# Altium PCB PCBV2.PcbDoc (part 3 of 3)
Units mil, origin at the board's own origin, x right, y up, seen from the top; angles counter-clockwise.
Board outline 4340.74 x 6112.39 mil, 4 copper layers (Top Layer, GND, PWR, Bottom Layer), stack 30.634 mil thick; 265 components, 139 nets, 704 pads, 345 vias.
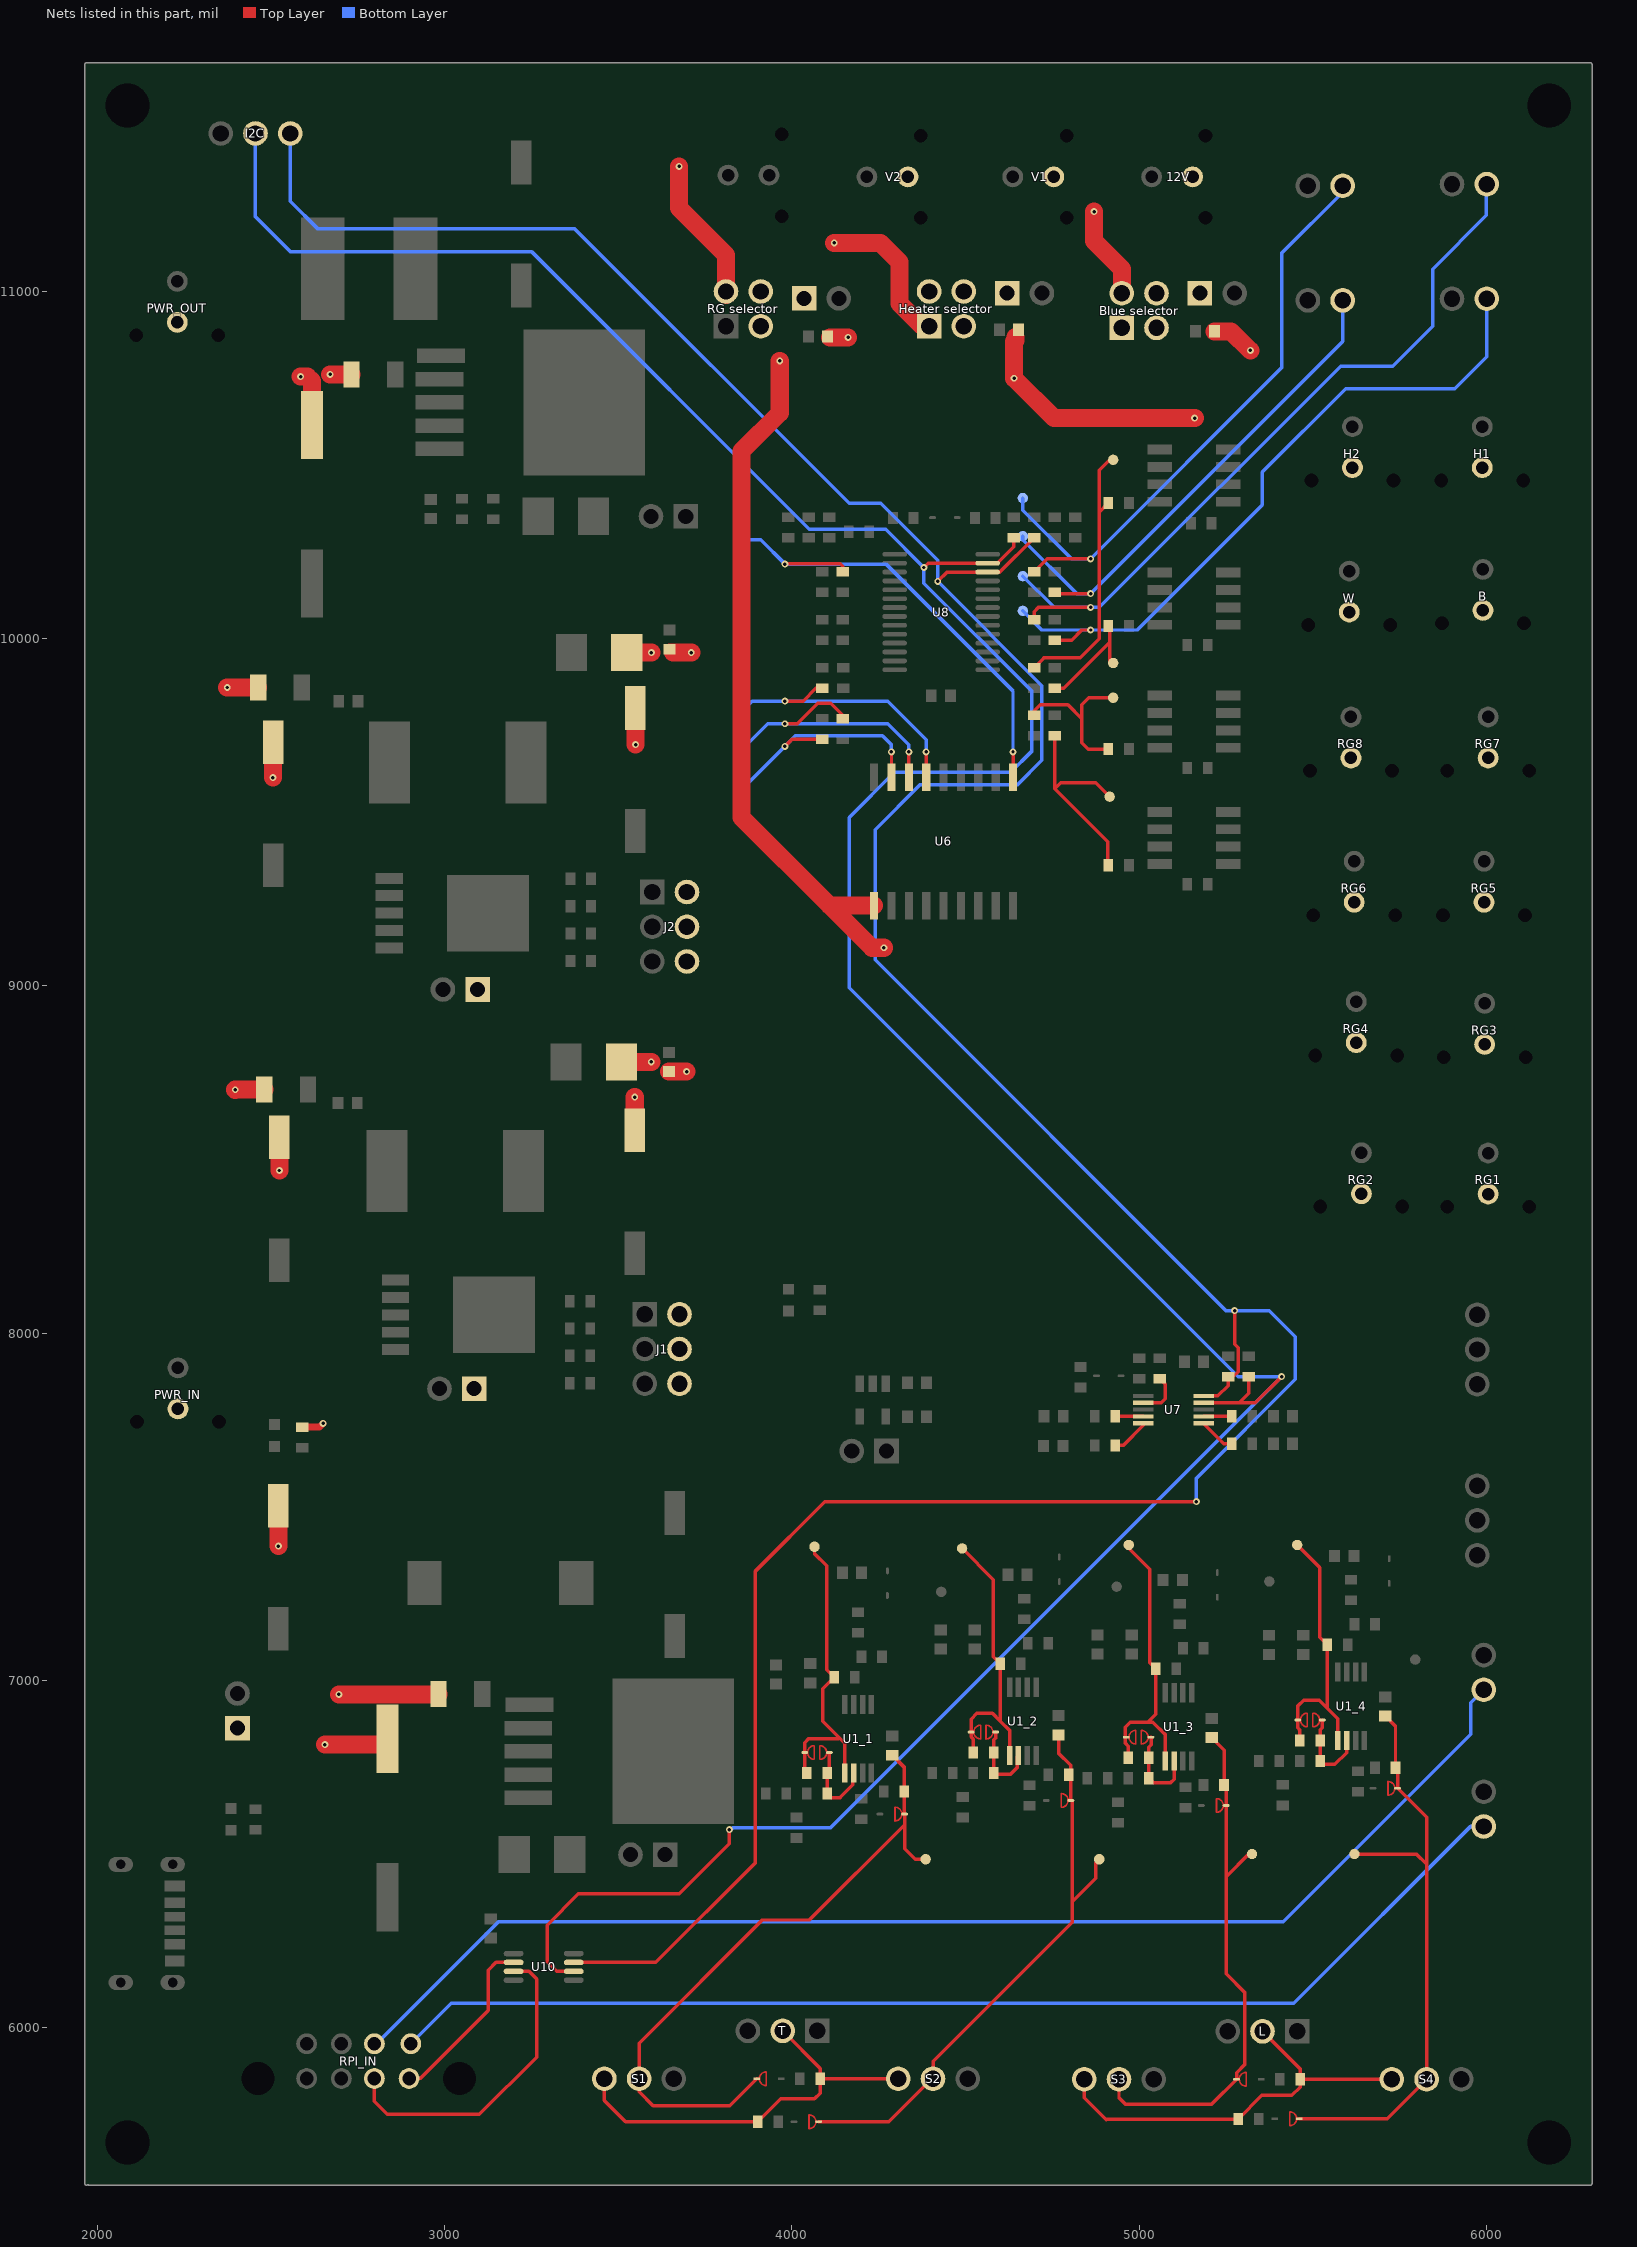
[diagram p5: the nets of this part, all layers, seen from the top]

## Via types
v1: diameter 20, hole 10, Top Layer to Bottom Layer, 345 vias

## Nets (pads, with @x,y where several pads share a name; then routed paths per layer and width w, separated by ;. In a path a pad name is that pad's centre, name@x,y a point inside that pad or via, vN(x,y) a via of type N, cw(c..) or ccw(c..) an arc to the next point about the centre after c; other vN are vias at no path point) (continued)
NetR47_1_1: R47_1.1 R49_1.2 sig_1.1 SJ7_1.1 U1_1.1 | length 906.9
  Top Layer w10: R47_1.1@4042.91,6733.19 4037.01,6739.09 SJ7_1.1@4037.01,6792.24 4037.01,6820.83 4048.74,6832.56 4133.74,6832.56 ; sig_1.1@4065,7385 4065,7365 4100,7330 4100,7030.43 R49_1.2@4121.65,7008.78 4088.74,6975.87 4088.74,6882.56 4152.17,6819.13 U1_1.1@4152.17,6733.11
NetR47_1_2: R47_1.2 R48_1.1 SJ7_1.2 U1_1.2 | length 248.8
  Top Layer w10: SJ7_1.2@4107.87,6792.24 4107.87,6739.09 R47_1.2@4101.97,6733.19 R48_1.1@4101.97,6674.13 4113.54,6662.56 4138.74,6662.56 4138.74,6663.04 4175.04,6699.34 4175.04,6730.39 U1_1.2@4177.76,6733.11
NetR47_2_1: R47_2.1 R49_2.2 sig_2.1 SJ7_2.1 U1_2.1 | length 853.2
  Top Layer w10: sig_2.1@4490,7380 4580,7290 4580,7068.54 R49_2.2@4600.51,7048.03 4600.51,6882.44 ; R47_2.1@4521.77,6792.13 4521.77,6831.18 4515.87,6837.09 SJ7_2.1@4515.87,6851.18 4515.87,6888.62 4532.6,6905.35 4577.6,6905.35 4600.51,6882.44 ; U1_2.1@4626.69,6783.43 4626.69,6856.26 4600.51,6882.44
NetR47_2_2: R47_2.2 R48_2.1 SJ7_2.2 U1_2.2 | length 234
  Top Layer w10: SJ7_2.2@4586.73,6851.18 4587.6,6850.31 4587.6,6835.35 4580.83,6828.58 R47_2.2@4580.83,6792.13 R48_2.1@4580.83,6733.07 4583.54,6730.35 4630.27,6730.35 4649.57,6749.65 4649.57,6780.71 U1_2.2@4652.28,6783.43
NetR47_3_1: R47_3.1 R49_3.2 sig_3.1 SJ7_3.1 U1_3.1 | length 858.7
  Top Layer w10: R47_3.1@4968.82,6777.56 4968.82,6810.47 4959.65,6819.65 4959.65,6833.35 SJ7_3.1@4962.91,6836.61 4959.65,6839.88 4959.65,6864.65 4974.65,6879.65 5024.65,6879.65 ; sig_3.1@4970,7390 4970,7380 5030,7320 5030,7051.02 R49_3.2@5047.56,7033.46 5047.56,6902.56 5024.65,6879.65 ; U1_3.1@5075,6767.4 5075,6844.29 5039.65,6879.65 5024.65,6879.65
NetR47_3_2: R47_3.2 R48_3.1 SJ7_3.2 U1_3.2 | length 256.1
  Top Layer w10: SJ7_3.2@5033.78,6836.61 5034.65,6835.75 5034.65,6814.65 5027.87,6807.87 R47_3.2@5027.87,6777.56 R48_3.1@5027.87,6718.5 5041.73,6704.65 5089.65,6704.65 5100.59,6715.59 U1_3.2@5100.59,6767.4
NetR47_4_1: R47_4.1 R49_4.2 sig_4.1 SJ7_4.1 U1_4.1 | length 814.7
  Top Layer w10: sig_4.1@5455,7390 5520,7325 5520,7123.78 R49_4.2@5541.38,7102.4 5541.38,6920.16 ; R47_4.1@5462.64,6826.81 5462.64,6857.24 5456.73,6863.15 SJ7_4.1@5456.73,6885.87 5456.73,6926.34 5473.46,6943.07 5518.46,6943.07 5541.38,6920.16 ; U1_4.1@5571.89,6826.73 5571.89,6889.65 5541.38,6920.16
NetR47_4_2: R47_4.2 R48_4.1 SJ7_4.2 U1_4.2 | length 249.1
  Top Layer w10: SJ7_4.2@5527.6,6885.87 5527.6,6863.78 5521.69,6857.87 R47_4.2@5521.69,6826.81 R48_4.1@5521.69,6767.76 5531.38,6758.07 5563.46,6758.07 5597.48,6792.09 U1_4.2@5597.48,6826.73
NetR54_2: R54.2 U7.2 | length 131
  Top Layer w10: U7.2@5012.24,7799.69 5063.54,7799.69 5074.57,7810.71 5074.57,7853.5 R54.2@5059.49,7868.58
NetR57_2: R57.2 U7.4 | length 80.7
  Top Layer w10: R57.2@4931.54,7760.31 U7.4@5012.24,7760.31
NetR58_2: R58.2 U7.5 | length 104.7
  Top Layer w10: R58.2@4931.54,7676.57 4954.41,7676.57 5012.24,7734.41
NetR59_1: R59.1 U7.7 | length 80.7
  Top Layer w10: U7.7@5185.47,7760.31 R59.1@5266.18,7760.31
NetR60_1: R60.1 U7.6 | length 104.7
  Top Layer w10: U7.6@5185.47,7739.41 5243.31,7681.57 R60.1@5266.18,7681.57
PWM_0: 0.1 R23.1 U6.1 | length 1396.5
  Top Layer w10: v1(3980,10215) 3981.24,10216.24 4138.76,10216.24 4146.63,10208.37 R23.1@4146.63,10192.46 ; v1(4636.65,9674.21) 4636.77,9674.09 U6.1@4636.77,9601.26
  Bottom Layer w10: 0.1@3855,10285 3910,10285 v1(3980,10215) 4270.87,10215 4636.65,9849.21 v1(4636.65,9674.21)
PWM_1: 1.1 R24.1 U6.2 | length 1244.1
  Top Layer w10: v1(3980,10135) 4070.83,10135 4080,10125.83 R24.1@4087.58,10133.41 ; v1(4586.65,9674.21) 4586.77,9674.09 U6.2@4586.77,9601.26
  Bottom Layer w10: 1.1@3855,10190 3855,10165 3885,10135 v1(3980,10135) 4290.87,10135 4586.65,9839.21 v1(4586.65,9674.21)
PWM_1: 8.1 R15_1.1 R40.2 | length 618.3
  Top Layer w10: R40.2@4756.87,9720.02 4756.87,9568.13 ; R15_1.1@4911.57,9347.52 4910,9349.09 4910,9415 4756.87,9568.13 ; 8.1@4915,9545 4875,9585 4773.74,9585 4756.87,9568.13
PWM_2: 2.1 R25.1 U6.3 | length 1216
  Top Layer w10: v1(3980,10085) 3990,10095 4106.3,10095 R25.1@4146.63,10054.67 ; v1(4536.65,9674.21) 4536.77,9674.09 U6.3@4536.77,9601.26
  Bottom Layer w10: 2.1@3855,10075 3865,10085 v1(3980,10085) 4295.87,10085 4536.65,9844.21 v1(4536.65,9674.21)
PWM_2: 9.1 R15_2.1 R39.2 | length 456.9
  Top Layer w10: R39.2@4697.81,9779.08 4697.81,9792.81 4715,9810 4795,9810 4835,9770 ; R15_2.1@4911.57,9682.17 4852.83,9682.17 4835,9700 4835,9770 ; 9.1@4915,9830 4855,9830 4835,9810 4835,9770
PWM_3: 3.1 R26.1 U6.4 | length 995.2
  Top Layer w10: v1(3980,9975) 4000.61,9995.61 R26.1@4087.58,9995.61 ; v1(4486.65,9674.21) 4486.77,9674.09 U6.4@4486.77,9601.26
  Bottom Layer w10: 3.1@3855,9975 v1(3980,9975) 4270.87,9975 4486.65,9759.21 v1(4486.65,9674.21)
PWM_3: 10.1 R15_3.1 R38.2 | length 318
  Top Layer w10: R38.2@4756.87,9857.82 4782.82,9857.82 4915,9990 ; R15_3.1@4910,10034.92 R15_3.1@4911.57,10036.5 4915,10033.07 4915,9990 ; 10.1@4915,9935 4915,9990
PWM_4: 4.1 R27.1 U6.5 | length 985.1
  Top Layer w10: v1(3980,9910) 4005,9910 4050,9955 4110.87,9955 4147.58,9918.29 R27.1@4147.58,9915.77 ; v1(4436.65,9674.21) 4436.77,9674.09 U6.5@4436.77,9601.26
  Bottom Layer w10: 4.1@3855,9890 3875,9910 v1(3980,9910) 4235.87,9910 4436.65,9709.21 v1(4436.65,9674.21)
PWM_4: 11.1 R15_4.1 R37.2 | length 787.2
  Top Layer w10: R37.2@4697.81,9916.87 4725,9944.06 4725,9945 4830,9945 4885,10000 4885,10364.25 ; R15_4.1@4911.57,10390.83 4885,10364.25 ; 11.1@4915,10515 4885,10485 4885,10364.25
PWM_5: 5.1 R28.1 U6.6 | length 820.8
  Top Layer w10: v1(3980,9820) 4032.44,9820 4069.15,9856.71 R28.1@4087.58,9856.71 ; v1(4386.65,9674.21) 4386.77,9674.09 U6.6@4386.77,9601.26
  Bottom Layer w10: 5.1@3855,9790 3885,9820 v1(3980,9820) 4275.87,9820 4386.65,9709.21 v1(4386.65,9674.21)
PWM_6: 6.1 R29.1 U6.7 | length 846.6
  Top Layer w10: v1(3980,9755) 4015,9755 4074.21,9814.21 4111.65,9814.21 4146.63,9779.23 R29.1@4146.63,9769.23 ; v1(4336.65,9674.21) 4336.77,9674.09 U6.7@4336.77,9601.26
  Bottom Layer w10: 6.1@3855,9680 3930,9755 v1(3980,9755) 4275.87,9755 4336.65,9694.21 v1(4336.65,9674.21)
PWM_7: 7.1 R30.1 U6.8 | length 709.3
  Top Layer w10: v1(3980,9690) 4000.18,9710.18 R30.1@4087.58,9710.18 ; v1(4286.65,9674.21) 4286.77,9674.09 U6.8@4286.77,9601.26
  Bottom Layer w10: 7.1@3855,9580 3870,9580 v1(3980,9690) 4010,9720 4260.87,9720 4286.65,9694.21 v1(4286.65,9674.21)
PWM_12: 12.1 PWM1.1 R36.2 | length 2015.6
  Top Layer w10: R36.2@4756.87,9995.61 4805.61,9995.61 4835,10025 v1(4860,10025)
  Bottom Layer w10: 12.1@4665,10080 4720,10025 v1(4860,10025) 4995,10025 5355,10385 5355,10480 5595,10720 5909.21,10720 6000.98,10811.77 PWM1.1@6000.98,10971.73
PWM_13: 13.1 PWM3.1 R35.2 | length 2216.6
  Top Layer w10: R35.2@4697.81,10054.67 4697.81,10077.81 4710,10090 v1(4860,10090)
  Bottom Layer w10: 13.1@4665,10180 4755,10090 v1(4860,10090) 4885,10090 5580,10785 5730,10785 5845,10900 5845,11064.41 6000,11219.41 PWM3.1@6000,11309.25
PWM_14: 14.1 PWM2.1 R34.2 | length 1522.7
  Top Layer w10: R34.2@4756.87,10133.41 4760,10130.28 4764.72,10135 4769.72,10130 v1(4860,10130)
  Bottom Layer w10: 14.1@4665,10295 4665,10285 4820,10130 v1(4860,10130) 4860.15,10130 5010,10279.85 5010,10280 5585.98,10855.98 PWM2.1@5585.98,10974.25
PWM_15: 15.1 PWM4.1 R33.2 | length 1839.7
  Top Layer w10: R33.2@4697.81,10192.46 4735.35,10230 v1(4860,10230)
  Bottom Layer w10: 15.1@4665,10405 4665,10370 4805,10230 v1(4860,10230) 5410,10780 5410,11110 5585.98,11285.98 PWM4.1@5585.98,11303.31
PWM_IN1: PWM1(RPI).1 RPI_IN.8 | length 3357
  Top Layer w10: 5984.29,6579.29 5992.28,6579.29
  Bottom Layer w10: RPI_IN.8@2902.48,5953.62 3018.86,6070 5445,6070 5954.29,6579.29 5992.28,6579.29
PWM_IN2: PWM2(RPI).1 RPI_IN.7 | length 3691.1
  Top Layer w10: 5992.28,6952.28 5992.28,6972.99
  Bottom Layer w10: RPI_IN.7@2797.48,5953.62 2803.62,5953.62 3154.85,6304.85 5415.21,6304.85 5955,6844.64 5955,6935.71 5992.28,6972.99
SCL_BUS: I2C.1 R32.2 R55.1 U7.10 U8.26 U10.7 | length 9853.2
  Top Layer w10: U10.7@3371.61,6187.8 3607.8,6187.8 3895,6475 3895,7315 4095,7515 v1(5165,7515) ; v1(4420,10165) 4446.95,10191.95 U8.26@4563.6,10191.95 4598.88,10191.95 R32.2@4697.81,10290.89 ; U7.10@5185.47,7819.37 5226.81,7819.37 5256.34,7848.9 R55.1@5256.34,7873.9 ; R55.1@5270.04,7873.9 5285.05,7888.91 5285.05,7957.73 5275,7967.79 v1(5275,8065)
  Bottom Layer w10: I2C.1@2555,11455 2555,11260 2635,11180 3375,11180 4165,10390 4255.36,10390 4420,10225.36 v1(4420,10165) 4720,9865 4720,9650 4650,9580 4370,9580 4240,9450 4240,9075 5250,8065 v1(5275,8065) 5375,8065 5450,7990 5450,7866.72 5165,7581.72 v1(5165,7515)
SCL_BUSA: RPI_IN.1 U10.2 | length 507
  Top Layer w10: RPI_IN.1@2897.48,5853.62 2929.2,5853.62 3125,6049.42 3125,6165 3147.8,6187.8 U10.2@3198.39,6187.8
SDA_BUS: I2C.2 R31.2 R56.1 U7.9 U8.27 U10.6 | length 9683.4
  Top Layer w10: U10.6@3371.61,6162.2 3322.8,6162.2 3295,6190 3295,6295 3385,6385 3675,6385 3820,6530 v1(3820,6570) ; v1(4380,10205) 4392.54,10217.54 U8.27@4563.6,10217.54 4591.85,10217.54 4638.76,10264.45 R31.2@4638.76,10290.89 ; U7.9@5185.47,7799.69 5288.54,7799.69 ; R56.1@5315.39,7873.9 5315.39,7826.54 5288.54,7799.69 ; v1(5410,7875) 5334.69,7799.69 5288.54,7799.69
  Bottom Layer w10: I2C.2@2455,11455 2455,11215 2555,11115 3250,11115 4050,10315 4270,10315 v1(4380,10205) 4380,10160 4690,9850 4690,9675 4630,9615 4295,9615 4165,9485 4165,8995 5285,7875 v1(5410,7875) 4110,6575 3830,6575 v1@3820,6565
SDA_BUSA: RPI_IN.2 U10.3 | length 918.3
  Top Layer w10: RPI_IN.2@2797.48,5853.62 2797.48,5787.52 2835,5750 3100,5750 3265,5915 3265,6140 3242.8,6162.2 U10.3@3198.39,6162.2
sens_1: C23_1.2 R43_1.2 S1.2 sens_1.1 SJ1.2 SJ6_1.2 | length 1909.2
  Top Layer w10: SJ1.2@3898.46,5852.72 3820.75,5775 3600,5775 3559.88,5815.12 S1.2@3559.88,5852.72 3559.88,5954.88 3915,6310 4050,6310 4324.41,6584.41 ; C23_1.2@4288.98,6784.37 4324.06,6749.29 R43_1.2@4324.06,6680 4324.06,6615.43 SJ6_1.2@4324.41,6615.08 4324.41,6584.41 ; sens_1.1@4385,6485 4355,6485 4324.41,6515.59 4324.41,6584.41
sens_2: C23_2.2 R43_2.2 S2.2 sens_2.1 SJ2.2 SJ6_2.2 | length 1710.4
  Top Layer w10: SJ2.2@4076.93,5729.21 4278.54,5729.21 4406.46,5857.13 4406.46,5903.19 4807.2,6303.94 4807.2,6362.2 ; C23_2.2@4767.83,6843.31 4767.83,6790.12 4802.6,6755.35 4802.6,6733.62 R43_2.2@4797.36,6728.39 4803.27,6722.48 SJ6_2.2@4803.27,6654.33 4807.2,6650.39 4807.2,6362.2 ; sens_2.1@4885,6485 4875,6475 4875,6430 4807.2,6362.2
sens_3: C23_3.2 R43_3.2 S3.2 sens_3.1 SJ3.2 SJ6_3.2 | length 1579.2
  Top Layer w10: S3.2@4941.89,5867.4 S3.2@4941.89,5851.42 4941.89,5798.11 4960,5780 5209.05,5780 SJ3.2@5280.47,5851.42 5280.47,5870.47 5303.71,5893.71 5303.71,6101.29 5250.31,6154.69 5250.31,6435 ; C23_3.2@5208.7,6834.92 5244.65,6798.98 5244.65,6699.06 R43_3.2@5244.41,6698.82 5250.31,6692.91 SJ6_3.2@5250.31,6639.76 5250.31,6435 ; sens_3.1@5325,6500 5315.31,6500 5250.31,6435
sens_4: C23_4.2 R43_4.2 S4.2 sens_4.1 SJ4.2 SJ6_4.2 | length 1729.3
  Top Layer w10: SJ4.2@5461.26,5737.6 5713.9,5737.6 S4.2@5827.72,5851.42 5827.72,6470 ; sens_4.1@5620,6500 5797.72,6500 5827.72,6470 ; C23_4.2@5708.7,6897.68 5738.23,6868.15 R43_4.2@5738.23,6748.07 5744.13,6742.17 SJ6_4.2@5744.13,6689.02 5827.72,6605.43 5827.72,6470
V_analog1: R1.2 R2.2 S1.1 S2.1 T.2 | length 1192.2
  Top Layer w10: S1.1@3459.88,5852.72 3459.88,5790.16 3520.83,5729.21 R2.2@3901.97,5729.21 3967.76,5795 4065,5795 4081.54,5811.54 R1.2@4081.54,5852.72 ; T.2@3973.27,5990.51 4081.54,5882.24 R1.2@4081.54,5852.72 ; S2.1@4306.34,5852.72 R1.2@4081.54,5852.72
V_analog2: L.2 R3.2 R4.2 S3.1 S4.1 | length 1226.9
  Top Layer w10: S3.1@4841.89,5851.42 4841.89,5798.11 4905,5735 4906.61,5736.61 R4.2@5284.96,5736.61 5353.35,5805 5440,5805 5463.54,5828.54 R3.2@5463.54,5851.42 ; L.2@5355.28,6006.58 L.2@5355.28,5989.21 5463.54,5880.95 R3.2@5463.54,5851.42 ; S4.1@5727.72,5851.42 R3.2@5463.54,5851.42
V_PWR: 12V.1 "Blue selector.1" "Heater selector.1" "RG selector.2" C1.2 C2.2 C6.2 C12.2 C15.2 F1.1 F2.1 F3.1 F4.1 PWR_IN.1 PWR_OUT.1 R63.2 tp-PWR_IN.1 W.1 | length 2121.4
  Top Layer w20: R63.2@2590,7729.53 2639.53,7729.53 v1(2650,7740)
  Top Layer w52: v1(2373.74,9859.41) F4.1@2462.64,9859.41 ; v1(2396.89,8701.06) 2398.11,8702.28 F3.1@2480.47,8702.28 ; v1(2504.92,9599.84) 2505.94,9600.87 C12.2@2505.94,9701.93 ; v1(2521.26,7386.85) C1.2@2521.26,7502.95 ; v1(2523.78,8468.47) C15.2@2523.78,8564.49 ; v1(2585,10755) 2604.21,10755 2617.4,10741.81 C6.2@2617.4,10615.47 ; v1(2655,6815) 2819.25,6815 2824.25,6820 C2.2@2835.28,6808.98 ; v1(2670,10761.14) F2.1@2731.58,10761.14 ; v1(2695,6960) 2981.65,6960 F1.1@2982.28,6960.63 ; v1(3675,11360) 3675,11240 3810,11105 3810,11000 3810,10989.43 ; v1(4121.91,11139.8) 4255.2,11139.8 4310,11085 4310,10965 4375,10900 4395,10900
VCC__H1: "Blue selector.2" C10.2 C11.2 D3.2 J1.4 J1.5 J1.6 tp-V1.1 V1.1 | length 475.5
  Top Layer w52: tp-V1.1@3085.59,7836.14 tp-V1.1@3085.71,7836.26 ; D3.2@3509.02,8781.02 v1(3594.8,8781.02) ; C11.2@3547.4,8584.17 v1(3547.4,8679.84) ; C10.2@3645.83,8753.46 v1(3696.61,8753.46) ; v1(4870,11230) 4870,11145 4950,11065 4950,11020
VCC_blue: "Blue selector.3" "Blue selector.4" B.1 C17.1 tp-BLUE>.1 | length 125.2
  Top Layer w52: C17.1@5217.56,10885 5265,10885 v1(5320,10830)
VCC_H2: "Heater selector.2" C9.2 C14.2 D4.2 J2.4 J2.5 J2.6 tp-V2.1 V2.1 | length 242.5
  Top Layer w32: C14.2@3647.68,9969.65 C14.2@3657.32,9960
  Top Layer w52: D4.2@3524.65,9959.84 3524.8,9960 v1(3595,9960) ; C9.2@3549.25,9800.35 3549.25,9695.51 v1(3549.92,9694.84) ; C14.2@3657.32,9960 v1(3710,9960)
VCC_heater: "Heater selector.3" "Heater selector.4" C18.1 H1.1 H2.1 tp-HEATER>.1 | length 692.3
  Top Layer w52: 4644.19,10869.19 4644.19,10859.44 4640,10855.25 v1(4640,10750) 4755,10635 v1(5160,10635) ; H2.1@5611.54,10490 H2.1@5614.21,10492.68
VCC_low: "RG selector.3" "RG selector.4" C16.1 RG1.1 RG2.1 RG3.1 RG4.1 RG5.1 RG6.1 RG7.1 RG8.1 tp-RG>.1 U6.10 | length 2105.5
  Top Layer w52: v1(3965,10800) 3965,10650 3855,10540 3855,9485 4108.82,9231.18 ; C16.1@4110.28,10867.72 v1(4161.97,10867.72) ; U6.10@4236.77,9231.18 4108.82,9231.18 ; v1(4265,9110) 4230,9110 4108.82,9231.18
pads on no net: 9V.3 9V.4 12V.3 12V.4 B.3 B.4 H1.3 H1.4 H2.3 H2.4 PWR_IN.3 PWR_IN.4 PWR_OUT.3 PWR_OUT.4 PWR_RPI.A5 PWR_RPI.B5 RG1.3 RG1.4 RG2.3 RG2.4 RG3.3 RG3.4 RG4.3 RG4.4 RG5.3 RG5.4 RG6.3 RG6.4 RG7.3 RG7.4 RG8.3 RG8.4 RPI_IN.3 RPI_IN.9 RPI_IN.10 U2.4 V1.3 V1.4 V2.3 V2.4 W.3 W.4

## Polygon pours and split planes (outlines as drawn)
V_PWR on PWR "Top Layer-No Net" (solid, pour order 228): 5000,11115 cw(c5009.2,11115.8) 5010,11125 5096,11125 6215,11125 ccw(c6216.22,11138.78) 6230,11140 6230,11385 ccw(c6025.41,11402.91) 6007.5,11607.5 4245.48,11607.5 2222.5,11607.5 ccw(c2210.22,11467.28) 2070,11455 2070,9782.5 2070,6745 ccw(c2119.65,6740.65) 2124,6691 2135,6691 2170,6691 2666,6691 ccw(c2669.95,6736.05) 2715.17,6736.06 2715.17,9615.17 cw(c2719.61,9615.56) 2720,9620 2725,9620 2771.11,9621.13 ccw(c2773.47,9647.65) 2800,9649.99 2800,11492.5 cw(c2822.98,11494.52) 2825,11517.5 3610,11517.5 cw(c3612.02,11494.52) 3635,11492.5 3635,11490 3635,11272.1 ccw(c3655.32,11270.32) 3657.1,11250 3865,11250 ccw(c3866.21,11263.78) 3879.99,11264.99 3879.99,11267.6 3880.01,11370.3 3880.01,11375.01 cw(c3889.21,11375.83) 3890,11385.02 4090,11385.02 cw(c4090.8,11375.83) 4100,11375.02 4100,11365.3 4100,11125 ccw(c4113.79,11123.79) 4115,11110 4260,11110 ccw(c4261.21,11123.79) 4275,11125 4275,11375.02 cw(c4284.17,11375.83) 4284.98,11385 4290,11385.02 4886.58,11385.02 cw(c4887.37,11375.82) 4896.58,11375 4896.58,9897.72 ccw(c4908.27,9896.69) 4909.29,9885 4910,9885 5650,9885 ccw(c5652.02,9907.98) 5675,9910 5675,9915.58 5675,10350 ccw(c5647.43,10352.43) 5645,10380 5015,10380 cw(c5013.79,10393.79) 5000,10395
VCC__H1 on PWR "Top Layer-No Net" (solid, pour order 236): 4880,10530 ccw(c4880.8,10539.2) 4890,10540 4890,11365.3 4889.7,11365.3 ccw(c4880.78,11366.08) 4880,11375 4470,11375 ccw(c4469.22,11366.08) 4460.3,11365.3 4460,11365.3 4460,11150 ccw(c4469.2,11149.2) 4470,11140 4655,11140 4660.41,11140 cw(c4661.01,11130.98) 4670,11130 4670,10650 cw(c4656.21,10648.79) 4655,10635 3895,10635 ccw(c3893.79,10621.21) 3880,10620 3880,10540 3880,8895 cw(c3866.21,8893.79) 3865,8880 3285,8880 ccw(c3283.79,8866.21) 3270,8865 3270,8141.21 cw(c3264.3,8140.7) 3263.79,8135 3260,8135 2935,8135 ccw(c2934.19,8125.81) 2925,8125 2925,7769.42 ccw(c2952.06,7767.06) 2954.42,7740 3790,7740 ccw(c3805.49,7960.17) 4025,7983.15 4025,10520 cw(c4034.19,10520.8) 4035,10530
+3V3 on PWR "Top Layer-No Net" (solid, pour order 242): 4885.39,9615.39 ccw(c4885.86,9620.96) 4891.42,9621.46 4886.58,10501.2 ccw(c4878.12,10501.94) 4877.38,10510.39 4060,10510.39 ccw(c4059.19,10501.2) 4049.96,10501.2 4049.96,7976.16 cw(c3815.73,7950.5) 3800,7715.39 2920,7715.39 cw(c2919.2,7724.59) 2919.19,7715.36 cw(c2919.19,7724.58) 2909.96,7724.59 cw(c2919.15,7724.59) 2910,7725.39 2910,8129.23 cw(c2923.77,8130.43) 2909.95,8130.44 cw(c2924.95,8130.39) 2925,8145.39 3230,8145.39 ccw(c3231.6,8163.71) 3231.61,8145.32 ccw(c3231.61,8163.78) 3250.07,8163.78 ccw(c3233.27,8163.86) 3250,8165.39 3250,8850.39 ccw(c3233.23,8851.93) 3250.07,8852 ccw(c3231.61,8852) 3231.61,8870.46 ccw(c3231.54,8853.24) 3229.49,8870.34 2933.79,8870.34 cw(c2933.79,8884.18) 2919.95,8884.18 cw(c2933.65,8884.19) 2920,8885.39 2920,9575.39 ccw(c2912.29,9576.13) 2920.03,9576.2 ccw(c2910.81,9576.2) 2910.81,9585.43 2760,9585.43 ccw(c2758.89,9573.38) 2758.81,9585.48 ccw(c2758.81,9571.62) 2744.94,9571.62 ccw(c2758.87,9571.62) 2745,9570.39 2745,8165.39 2745,7555.39 ccw(c2758.79,7554.18) 2744.95,7554.19 ccw(c2758.79,7554.18) 2758.79,7540.34 ccw(c2758.8,7554.1) 2760,7540.39 3900.39,7540.39 cw(c3902.7,7514.81) 3902.77,7540.5 cw(c3902.78,7513.17) 3930.1,7513.17 cw(c3904.26,7513.1) 3930,7510.78 3930,6300.39 ccw(c3943.79,6299.18) 3929.95,6299.18 ccw(c3943.79,6299.18) 3943.79,6285.34 ccw(c3943.8,6299.05) 3945,6285.39 3950,6285.39 5530,6285.39 ccw(c5543.27,6437.05) 5543.27,6284.81 ccw(c5543.28,6437.11) 5695.58,6437.12 ccw(c5545.11,6437.2) 5695,6450.39 5695,8215.39 ccw(c5682.72,8216.53) 5695.05,8216.6 ccw(c5681.21,8216.6) 5681.21,8230.44 ccw(c5681.14,8218.07) 5680,8230.39 4395,8230.39 4391.94,8230.39 ccw(c4391.05,8220.98) 4390.98,8230.43 ccw(c4390.98,8219.41) 4379.96,8219.41 ccw(c4391,8219.41) 4380,8218.45 4380,7840.39 cw(c4375.4,7839.99) 4375,7835.39 4370,7835.39 4165,7835.39 cw(c4164.2,7844.59) 4155,7845.39 4155,9605.39 cw(c4164.19,9606.2) 4165,9615.39 4755,9615.39
+9V on PWR "Top Layer-No Net" (solid, pour order 240): 3880,11240 ccw(c3880.8,11249.2) 3890,11250 3890,11360 cw(c3903.79,11361.21) 3905,11375 4075,11375 cw(c4076.21,11361.21) 4090,11360 4090,11122.39 cw(c4078.38,11121.58) 4077.16,11110 3875,11110 3875,11109.15 ccw(c3873.79,11095.35) 3860,11094.15 3860,10777.88 cw(c3843.56,10776.44) 3842.12,10760 3830,10760 3795,10760 ccw(c3792.99,10737.01) 3770,10735 3770,10185.47 cw(c3732.79,10182.21) 3729.53,10145 3720,10145 3160.75,10145 2875,10145 2870,10145 cw(c2866.38,10186.38) 2825,10190 2825,11485 cw(c2829.98,11485.45) 2830.43,11490.43 2835,11490.43 3610,11490.43 cw(c3610.63,11481.02) 3620,11480 3620,11250 ccw(c3629.19,11249.2) 3630,11240
+5V on PWR "Top Layer-No Net" (solid, pour order 132): 5720,8205 cw(c5747.59,8207.41) 5750,8235 6190,8235 cw(c6193.22,8198.22) 6230,8195 6230,5946.81 cw(c6044.37,5930.57) 6031.46,5744.67 2270,5744.67 cw(c2259.38,5866.05) 2138,5876.67 2138,6609.31 cw(c2202.34,6609.66) 2180,6670 2702,6670 ccw(c2704.66,6700.35) 2735,6703 2735,7495 cw(c2762.59,7497.41) 2765,7525 2775,7525 3870,7525 cw(c3872.42,7497.42) 3900,7495 3900,6290 ccw(c3922.99,6287.99) 3925,6265 5555,6265 ccw(c5568.27,6416.73) 5720,6430
VCC_blue on PWR "Top Layer-No Net" (solid, pour order 138): 5005,11108.86 cw(c5010.65,11109.35) 5011.14,11115 5020,11115 6190,11115 6198.55,11115 cw(c6201.08,11086.08) 6230,11083.55 6230,10015 6230,9904.3 cw(c6212.25,9902.75) 6210.7,9885 5700,9885 cw(c5698.79,9898.79) 5685,9900 5685,9905 5685,10350 cw(c5703.39,10351.61) 5705,10370 6025,10370 ccw(c6027.41,10397.59) 6055,10400 6055,10720 ccw(c6036.61,10721.61) 6035,10740 5025,10740 cw(c5023.39,10758.39) 5005,10760 5005,10765
VCC_low on PWR "Top Layer-No Net" (solid, pour order 130): 4900,9852.53 cw(c4916.07,9853.93) 4917.47,9870 6205,9870 cw(c6207.01,9847.01) 6230,9845 6230,8273.68 6228.68,8273.68 cw(c6206.91,8271.77) 6205,8250 4255,8250 cw(c4249.37,8314.37) 4185,8320 4185,9575 cw(c4198.79,9576.21) 4200,9590 4893.33,9590 ccw(c4893.86,9596.14) 4900,9596.67
VCC_heater on PWR "Top Layer-No Net" (solid, pour order 148): 4650,11130 cw(c4651.21,11116.21) 4665,11115 4665,10670 cw(c4651.21,10668.79) 4650,10655 4470,10655 4466.21,10655 cw(c4465.31,10665.31) 4455,10666.21 4455,11115 4455,11120 cw(c4464.2,11120.8) 4465,11130
+5V on PWR "Top Layer-No Net" (solid, pour order 68): 4200,7860 cw(c4198.39,7878.39) 4180,7880 4180,8200 4180,8205 cw(c4207.59,8207.41) 4210,8235 4320,8235 cw(c4323.14,8206.8) 4351.46,8205 4351.46,7927.2 4351.46,7890 cw(c4325.64,7886.1) 4325,7860
VCC_low on PWR "Top Layer-No Net" (solid, pour order 150): 4250,11100 cw(c4251.61,11081.61) 4270,11080 4270,10775 cw(c4256.2,10773.79) 4254.99,10759.99 4250,10759.99 3890,10760.01 cw(c3888.39,10778.4) 3870,10780.01 3870,11080 cw(c3888.39,11081.61) 3890,11100
VCC_heater on PWR "Top Layer-No Net" (solid, pour order 230): 5015,10695.44 cw(c5032.99,10697.01) 5034.56,10715 5050,10715 6000,10715 6012.01,10715 cw(c6014.27,10689.27) 6040,10687.01 6040,10595 6040,10405 cw(c6026.21,10403.79) 6025,10390 5030,10390 cw(c5028.79,10403.79) 5015,10405
VCC_H2 on PWR "Top Layer-No Net" (solid, pour order 226): 4425,10655 4429.71,10655 ccw(c4430.94,10669.06) 4445,10670.29 4445,11367.04 ccw(c4437.68,11367.68) 4437.04,11375 4300,11375 ccw(c4299.2,11365.8) 4290,11365 4290,10755 cw(c4276.21,10753.79) 4275,10740 3795,10740 ccw(c3794.19,10730.81) 3785,10730 3785,10655 3785,10135 cw(c3775.81,10134.19) 3775,10125 2945,10125 2830,10125 ccw(c2828.79,10111.21) 2815,10110 2815,9630 ccw(c2824.19,9629.19) 2825,9620 2925,9620 cw(c2926.21,9606.21) 2940,9605 2940,8940 ccw(c2981.38,8936.38) 2985,8895 3820,8895 3830,8895 ccw(c3832.41,8922.58) 3860,8925 3860,10645 cw(c3869.19,10645.8) 3870,10655 3930.59,10655 3935,10655
GND on Top Layer "Top Layer-No Net" (solid, pour order 266): 6285,5565 6285,11640 1985,11640 1985,5565
CH_3 on Top Layer "Top Layer-No Net" (solid, pour order 256): 5905,10335 ccw(c5906.61,10353.39) 5925,10355 5925,10655 cw(c5938.79,10656.21) 5940,10670 6040,10670 cw(c6040.8,10660.8) 6050,10660 6050,10650 6050,10305 cw(c6031.61,10303.39) 6030,10285 5320,10285 ccw(c5319.2,10275.8) 5310,10275 5310,10035 cw(c5296.21,10033.79) 5295,10020 5220,10020 cw(c5219.2,10029.2) 5210,10030 5210,10215 5210,10220 cw(c5219.2,10220.8) 5220,10230 5250,10230 ccw(c5250.8,10239.2) 5260,10240 5260,10320 cw(c5273.79,10321.21) 5275,10335
NetD3_1 on Top Layer "Top Layer-No Net" (solid, pour order 28): 3030,8851.73 3026.73,8851.73 ccw(c3025.64,8836.56) 3010.51,8835 3010.51,8085 cw(c3001.32,8084.19) 3000.51,8075 2810,8075 ccw(c2809.19,8065.81) 2800,8065 2800,8040 ccw(c2807.6,8039.34) 2808.27,8031.73 2990,8031.73 cw(c2991.46,8017.73) 3005.51,8016.73 3005.51,7950 ccw(c3013.11,7949.33) 3013.78,7941.73 3261.73,7941.73 ccw(c3262.65,7949.55) 3270.51,7950 3270.51,7960 cw(c3276.7,7960.54) 3277.63,7966.69 3292.8,7966.69 ccw(c3292.8,7978.93) 3305,7980 3305,8605 ccw(c3294.21,8605.95) 3293.27,8616.73 3268.27,8616.73 cw(c3267.6,8624.33) 3260,8625 3260,8720 cw(c3266.19,8720.54) 3266.73,8726.73 3405,8726.73 ccw(c3406.06,8736.14) 3415.51,8736.73 3415.51,8846.73 ccw(c3410.92,8847.14) 3410.51,8851.73
NetC29_2 on Top Layer "Top Layer-No Net" (solid, pour order 32): 2705,8721.73 cw(c2705.8,8712.54) 2715,8711.73 2715,8601.23 ccw(c2720.52,8600.75) 2722.51,8595.58 2892.51,8595.58 cw(c2892.51,8577.53) 2910.51,8578.96 2910.51,8336.73 cw(c2901.06,8336.14) 2900,8326.73 2857.24,8326.73 ccw(c2856.7,8320.54) 2850.51,8320 2850.51,8231.73 cw(c2841.06,8231.14) 2840,8221.73 2767.24,8221.73 ccw(c2766.7,8215.54) 2760.51,8215 2760.51,8030 ccw(c2767.86,8029.12) 2768.27,8021.73 2770,8021.73 2903.78,8021.73 cw(c2904.32,8015.54) 2910.51,8015 2910.51,7986.32 cw(c2904.93,7985.83) 2904.44,7980.26 2685.26,7980.26 cw(c2684.07,7993.81) 2670.51,7995 2670.51,8656.73 ccw(c2648.59,8654.82) 2650.51,8676.73 2590,8676.73 2590,8721.73
NetC7_1 on Top Layer "Top Layer-No Net" (solid, pour order 52): 3102.6,10429 3102.6,10428.4 ccw(c3107.57,10427.97) 3108,10423 3153.76,10423 cw(c3154.45,10414.57) 3162.88,10413.88 3162.62,10387.4 cw(c3158.2,10387.4) 3157.82,10383 2942,10383 cw(c2941.64,10387.05) 2937.6,10387.4 2937.6,10441 cw(c2947.71,10441.89) 2948.6,10452 3057,10452.01 ccw(c3057.69,10461.95) 3067.6,10463.01 3067.6,10571 3068,10572.01 ccw(c3058.81,10572.82) 3058,10582.01 2905,10582.01 2903.6,10582 cw(c2902.71,10592.11) 2892.6,10593 2892.6,10629 cw(c2904.75,10629.89) 2906,10642.01 3086,10642.01 3089.59,10642.01 cw(c3090.64,10630.05) 3102.6,10629
NetC13_2 on Top Layer "Top Layer-No Net" (solid, pour order 62): 2725,9770 cw(c2724.16,9779.23) 2714.92,9780 2714.92,9870 ccw(c2703.57,9870.99) 2702.58,9882.34 2564.92,9882.34 2564.92,9837.34 2639.92,9837.34 cw(c2641.53,9818.95) 2659.92,9817.34 2659.92,9155 ccw(c2671.6,9154.01) 2672.66,9142.34 2892.02,9142.34 ccw(c2892.66,9149.6) 2899.92,9150.24 2899.92,9175 ccw(c2893.21,9175.62) 2892.66,9182.34 2757.58,9182.34 cw(c2756.96,9189.38) 2749.92,9190 2749.92,9375 cw(c2756.71,9375.56) 2757.34,9382.34 2830,9382.34 ccw(c2830.8,9391.54) 2840,9392.34 2839.92,9395 2839.92,9480 cw(c2846.71,9480.56) 2847.34,9487.34 2902.34,9487.34 ccw(c2902.96,9494.38) 2910,9495 2910,9760 ccw(c2900.8,9760.8) 2900,9770
NetF1_2 on Top Layer "Top Layer-No Net" (solid, pour order 38): 3249.37,7015.63 cw(c3250.25,7005.6) 3260.28,7004.72 3260.28,6975.35 ccw(c3269.22,6974.57) 3270,6965.63 3309.21,6965.63 cw(c3310.69,6951.08) 3325.28,6950 3325.28,6910.91 cw(c3315.83,6910.08) 3315,6900.63 3090,6900.63 cw(c3088.55,6913.85) 3075.28,6914.72 3075.28,7005.91 cw(c3084.22,7006.69) 3085,7015.63
NetF2_2 on Top Layer "Top Layer-No Net" (solid, pour order 46): 3067,10842.01 cw(c3067.85,10832.26) 3077.6,10831.41 3077.6,10831.33 3077.6,10800 cw(c3068.6,10799.03) 3068,10790 2911,10790 2909.6,10790 ccw(c2909.04,10783.56) 2902.6,10783 2902.6,10731.01 cw(c2894.52,10730.12) 2894,10722.01 2828,10722.01 cw(c2827.57,10726.97) 2822.6,10727.41 2822.6,10828.6 cw(c2834.92,10829.68) 2836,10842.01
NetD4_1 on Top Layer "Top Layer-No Net" (solid, pour order 64): 3004.92,9234.92 cw(c3000.35,9234.47) 3000,9229.9 2809.9,9229.9 ccw(c2809.27,9215.55) 2794.92,9214.92 2794.92,9200.08 ccw(c2799.59,9199.67) 2800,9195 2980,9195 cw(c2980.81,9185.81) 2990,9185 2990,9105 ccw(c2999.19,9104.19) 3000,9095 3280,9095 ccw(c3281.61,9113.39) 3300,9115 3300,9120 3300,9765 ccw(c3290.96,9765.8) 3290.16,9774.84 3260,9774.84 cw(c3259.26,9784.12) 3250,9785 3249.92,9875 cw(c3259.12,9875.8) 3259.92,9885 3403.89,9884.84 ccw(c3404.62,9894.12) 3413.89,9895 3413.89,10011.18 ccw(c3405.72,10011.91) 3405,10020.07 3023.38,10020.07 ccw(c3023.37,10001.55) 3004.92,9999.92
GND on Top Layer "Top Layer-No Net" (solid, pour order 84): 2639.02,6999.02 ccw(c2640.32,7022.25) 2663.43,7025 2663.43,7210 ccw(c2645.03,7211.61) 2643.42,7230 2640,7230 2495,7230 2493.43,7230 ccw(c2491.82,7211.61) 2473.43,7210 2473.43,7015.59 ccw(c2488.67,7014.26) 2490,6999.02
GND on Top Layer "Top Layer-No Net" (solid, pour order 90): 3395,8315 cw(c3404.2,8315.8) 3405,8325 3580,8325 3583.43,8325 cw(c3584.23,8315.8) 3593.43,8315 3593.43,8110 cw(c3584.23,8109.2) 3583.43,8100 3515,8100 3513.45,8100 ccw(c3513.05,8095.4) 3508.45,8095 3508.45,8072.75 cw(c3500.68,8072.75) 3500,8065 3405,8065 cw(c3404.2,8074.19) 3395,8075
GND on Top Layer "Top Layer-No Net" (solid, pour order 92): 2541.22,9479.02 cw(c2542.63,9462.9) 2558.74,9461.49 2558.74,9226.26 cw(c2547.48,9225.27) 2546.5,9214.02 2380.53,9215 cw(c2378.51,9229.64) 2363.74,9230.19 2363.74,9453.74 cw(c2387.47,9455.36) 2390,9479.02
GND on Top Layer "Top Layer-No Net" (solid, pour order 98): 3605.94,9544.01 cw(c3607.07,9531.08) 3620.01,9529.95 3620.01,9329.99 cw(c3610.82,9329.19) 3610.02,9320 3555,9320 3553.74,9320 ccw(c3553.34,9315.4) 3548.74,9315 3548.74,9295 cw(c3539.54,9294.2) 3538.74,9285 3405,9285 cw(c3404.2,9294.2) 3395,9295 3395,9525 cw(c3412.98,9526.12) 3415,9544.01
GND on Top Layer "Top Layer-No Net" (solid, pour order 104): 2943.42,6451.58 ccw(c2920.2,6455.47) 2920,6479.02 2910,6479.02 2780,6479.02 ccw(c2777.86,6454.58) 2753.43,6452.44 2753.43,6220 ccw(c2776.83,6217.5) 2778.43,6194.02 2917.44,6194.02 ccw(c2919.53,6217.91) 2943.43,6220
GND on Top Layer "Top Layer-No Net" (solid, pour order 108): 2704.42,10289.01 cw(c2705.55,10276.14) 2718.43,10275.01 2718.43,10020.44 cw(c2703.32,10019.12) 2702,10004.02 2554,10004.02 2549.43,10004 cw(c2547.74,10023.31) 2528.43,10025 2528.43,10271.43 cw(c2544.59,10272.85) 2546,10289.02
GND on Top Layer "Top Layer-No Net" (solid, pour order 110): 4450,7943.98 4451.42,7943.98 cw(c4452.22,7934.78) 4461.42,7933.98 4461.42,7803.98 cw(c4452.22,7803.17) 4451.42,7793.98 4400,7793.98 cw(c4399.2,7803.17) 4390,7803.98 4390,7933.98 cw(c4399.19,7934.78) 4400,7943.98
GND on Top Layer "Top Layer-No Net" (solid, pour order 248): 3583.63,10465 ccw(c3584.14,10470.86) 3590,10471.37 3590,10900 ccw(c3562.42,10902.42) 3560,10930 3347,10930 cw(c3344.28,10955.78) 3318.43,10957.57 3318.43,10961 3318.43,11100 ccw(c3299.74,11100.52) 3297,11119.02 3210,11119.02 3205.26,11119.02 ccw(c3204.68,11112.34) 3198,11111.75 3198,10473 ccw(c3205.36,10472.36) 3206,10465 3372,10465 cw(c3372.65,10457.65) 3380,10457 3380,10301 ccw(c3385.52,10300.52) 3386,10295 3529,10295 ccw(c3529.36,10299.07) 3533.43,10299.43 3533.43,10457 cw(c3540.57,10457.82) 3541,10465
NetD2_2 on Top Layer "Top Layer-No Net" (solid, pour order 244): 3223.82,10417 ccw(c3231.91,10422.12) 3229,10413 ccw(c3233.32,10420.86) 3235.06,10412.06 3336,10412.06 cw(c3337.41,10404.02) 3345.57,10404 3345.57,10295 cw(c3339.17,10294.43) 3338.6,10288.03 3223.82,10288.03 cw(c3223.25,10294.45) 3216.82,10295 3216.82,10380.06 ccw(c3206.92,10380.08) 3214,10387 3207,10395 3116.49,10484.51 cw(c3124.68,10487.73) 3115.97,10489.03 3115.57,10702.43 ccw(c3104.92,10703.37) 3103.97,10714.03 2925.53,10714.03 cw(c2924.76,10723.87) 2914.9,10724 2914.9,10764.47 cw(c2919.48,10765.36) 2919,10770 3084.95,10769.01 ccw(c3085.62,10778.98) 3095.57,10779.86 3095.57,10844.3 ccw(c3089.51,10845.78) 3090,10852 2595,10854 cw(c2594.86,10871.13) 2577.97,10874.01 2577.97,11202.08 cw(c2587.16,11202.89) 2587.97,11212.08 2784.18,11212.08 cw(c2784.2,11198.25) 2797.97,11197.03 2797.97,10926.63 ccw(c2818.75,10924.81) 2820.57,10904.03 2826.82,10904.03 3135.45,10904.03 cw(c3138.49,10871.96) 3169.71,10864.03 3169.71,10477.41 ccw(c3179.89,10477.41) 3172.69,10470.22
GND on Top Layer "Top Layer-No Net" (solid, pour order 82): 2175,8299.01 ccw(c2173.79,8285.22) 2160,8284.01 2160,7843.42 ccw(c2176.94,7841.94) 2178.42,7825 2180,7825 2570,7825 ccw(c2571.48,7841.94) 2588.42,7843.42 2588.43,8277.44 ccw(c2568.59,8279.18) 2566.85,8299.02
GND on Top Layer "Top Layer-No Net" (solid, pour order 250): 3825,7229.02 cw(c3826.21,7215.22) 3840,7214.02 3840,6579.02 cw(c3830.8,6578.21) 3830,6569.02 3485,6569.02 3485,6568.43 ccw(c3484.19,6559.23) 3475,6558.42 3475,6484.02 cw(c3456.61,6482.41) 3455,6464.02 3358.43,6464.02 3358.43,6545 3435,6545 ccw(c3436.08,6557.35) 3448.42,6558.42 3448.43,6569.02 3448.43,6649.02 3448.42,7190 cw(c3484.79,7192.73) 3488.42,7229.01
NetD1_2 on Top Layer "Top Layer-No Net" (solid, pour order 40): 3145,7360.63 cw(c3149.08,7334.18) 3169.95,7350.94 3405.45,7115.45 3402.54,7118.36 cw(c3382.53,7092.64) 3414.81,7088.16 3420.28,6575 cw(c3411.08,6574.19) 3410.28,6565 3295,6565.02 ccw(c3294.22,6556.05) 3285.25,6555.25 3284.95,6434.95 cw(c3280.43,6434.55) 3280.03,6430.03 3140.28,6430.28 cw(c3139.87,6434.87) 3135.28,6435.28 3135.28,6440 3135.28,6585.28 cw(c3144.22,6586.06) 3145,6595 3325,6595 ccw(c3325.81,6604.19) 3335,6605 3335,6635 3335.28,6825.63 ccw(c3325.95,6826.33) 3325,6835.63 3160,6835.63 cw(c3159.07,6844.39) 3150.28,6845 3150.28,6880.63 cw(c3159.33,6881.55) 3160,6890.63 3335,6890.63 ccw(c3336.28,6903.95) 3349.62,6905 3349.62,7020.07 ccw(c3336.64,7020.1) 3344.82,7030.18 3340,7035 3169.95,7196.34 ccw(c3158.46,7184.49) 3155,7200.63 2890,7200.63 cw(c2888.66,7213.99) 2875.28,7215 2875.28,7345.91 cw(c2888.81,7347.1) 2890,7360.63
CH_4 on Top Layer "Top Layer-No Net" (solid, pour order 252): 5510.52,10590 ccw(c5511.28,10598.72) 5520,10599.48 5520,10645 cw(c5533.79,10646.21) 5535,10660 5650,10660 cw(c5651.21,10646.21) 5665,10645 5665,10599.48 5665,10550 cw(c5651.21,10548.79) 5650,10535 5320,10535 ccw(c5318.79,10521.21) 5305,10520 5305,10380 cw(c5295.8,10379.19) 5295,10370 5220,10370 cw(c5219.2,10379.2) 5210,10380 5210,10575 cw(c5223.79,10576.21) 5225,10590
CH_2 on Top Layer "Top Layer-No Net" (solid, pour order 262): 5325,9990 ccw(c5326.21,10003.79) 5340,10005 5340,10230 cw(c5353.79,10231.21) 5355,10245 5655,10245 cw(c5656.61,10226.61) 5675,10225 5675,9955 cw(c5656.61,9953.39) 5655,9935 5325,9935 ccw(c5324.19,9925.81) 5315,9925 5315,9675 cw(c5305.81,9674.19) 5305,9665 5220,9665 cw(c5219.2,9674.2) 5210,9675 5210,9895 cw(c5219.19,9895.81) 5220,9905 5240,9905 ccw(c5240.81,9914.19) 5250,9915 5250,9980 cw(c5259.19,9980.81) 5260,9990
CH_1 on Top Layer "Top Layer-No Net" (solid, pour order 264): 5335,9530 ccw(c5336.21,9543.79) 5350,9545 5350,9875 cw(c5363.79,9876.21) 5365,9890 5910,9890 ccw(c5911.21,9903.79) 5925,9905 5925,10240 cw(c5934.2,10240.8) 5935,10250 6065,10250 cw(c6065.8,10240.8) 6075,10240 6075,9835 cw(c6061.21,9833.79) 6060,9820 5445,9820 ccw(c5444.2,9810.8) 5435,9810 5435,9805 5435,9770 5435,9450 cw(c5421.21,9448.79) 5420,9435 5330,9435 ccw(c5328.79,9421.21) 5315,9420 5315,9340 cw(c5301.21,9338.79) 5300,9325 5220,9325 cw(c5218.79,9338.79) 5205,9340 5205,9345 5205,9515 cw(c5218.79,9516.21) 5220,9530
GND on Bottom Layer "Top Layer-No Net" (solid, pour order 268): 1985,11640 1985,5565 6285,5565 6285,11640
GND on GND (split plane): 6284.13,5566.26 1983.59,5566.26 1983.59,11638.46 6284.13,11638.46

## Silkscreen, mask and mechanical layers (free items; w line width, h text height)
Top Overlay:
  text "GND" at 3840,11505 h36 r90
  text "GND" at 4235,11505 h36 r90
  text "GND" at 4650,11505 h36 r90
  text "GND" at 5045,11505 h36 r90
  text "GND" at 5905,11505 h36 r90
  text "PWM" at 6020,11505 h36 r90
  text "GND" at 5500,11500 h36 r90
  text "PWM" at 5615,11500 h36 r90
  text "GND" at 2355,11330 h36 r180
  text "SDA" at 2505,11325 h36 r180
  text "SCL" at 2650,11325 h36 r180
  text "-" at 2060,11030 h36 r90
  text "V1" at 4880,10985 h36 r90
  text "V2" at 4320,10970 h36 r90
  text "12V" at 3735,10945 h36 r90
  text "+" at 2060,10900 h36 r90
  text "12V" at 4875,10855 h36 r90
  text "9V" at 3735,10850 h36 r90
  text "12V" at 4325,10845 h36 r90
  text "-" at 6200,10610 h36 r90
  text "+" at 6205,10480 h36 r90
  text "-" at 6200,10200 h36 r90
  text "+" at 6205,10065 h36 r90
  text "-" at 6205,9770 h36 r90
  text "+" at 6210,9640 h36 r90
  text "-" at 6205,9355 h36 r90
  text "16V" at 3815,9250 h36 r90
  text "+" at 6210,9225 h36 r90
  text "20V" at 3815,9115 h36 r90
  text "24V" at 3815,8985 h36 r90
  text "-" at 6205,8950 h36 r90
  text "Voltage Selector: V2" at 3895,8875 h36 r90
  text "+" at 6210,8815 h36 r90
  text "-" at 6205,8515 h36 r90
  text "+" at 6210,8380 h36 r90
  text "GND" at 6215,8055 h36 r90
  text "16V" at 3790,8040 h36 r90
  text "by IoW Labs" at 5355,7960 h120 r90
  text "FluOpti" at 4805,7925 h200 r90
  text "www.iowlabs.com" at 5500,7920 h50 r90
  text "20V" at 3790,7905 h36 r90
  text "-" at 2065,7890 h36 r90
  text "L&H Driver-SD01-R01" at 4660,7885 h50 r90
  text "5V" at 6215,7780 h32 r90
  text "+" at 2070,7775 h36 r90
  text "24V" at 3790,7775 h36 r90
  text "Voltage Selector: V1" at 3870,7660 h36 r90
  text "GND" at 6220,7560 h36 r90
  text "5V" at 6220,7265 h36 r90
  text "GND" at 6225,7045 h36 r90
  text "PWM" at 6225,6905 h36 r90
  text "GND" at 6225,6655 h36 r90
  text "PWM" at 6225,6510 h36 r90
  text "GPIO2" at 2480,6145 h36 r90
  text "GPIO1" at 2550,6145 h36 r90
  text "PWM2" at 3015,6145 h36 r90
  text "PWM1" at 3090,6145 h36 r90
  text "5V" at 5265,6070 h36 r90
  text "V+" at 5375,6070 h36 r90
  text "3V3" at 5475,6065 h36 r90
  text "5V" at 3890,6060 h36 r90
  text "V+" at 3995,6060 h36 r90
  text "3V3" at 4100,6060 h36 r90
  text "S" at 3570,5625 h36 r90
  text "S" at 4415,5625 h36 r90
  text "S" at 4965,5625 h36 r90
  text "S" at 5845,5625 h36 r90
  text "V+" at 3465,5610 h36 r90
  text "V+" at 4310,5610 h36 r90
  text "V+" at 4860,5610 h36 r90
  text "V+" at 5740,5610 h36 r90
  text "GND" at 3680,5580 h36 r90
  text "GND" at 4525,5580 h36 r90
  text "GND" at 5075,5580 h36 r90
  text "GND" at 5955,5580 h36 r90
  text "SCL" at 2915,5575 h36 r90
  text "SDA" at 2800,5570 h36 r90
Cutoff:
  lines w10: 1968.5,5551.18 1968.5,11653.54 6299.21,11653.54 6299.21,5551.18 1976.38,5551.18